# Allegro board Chronos.brd (continued)
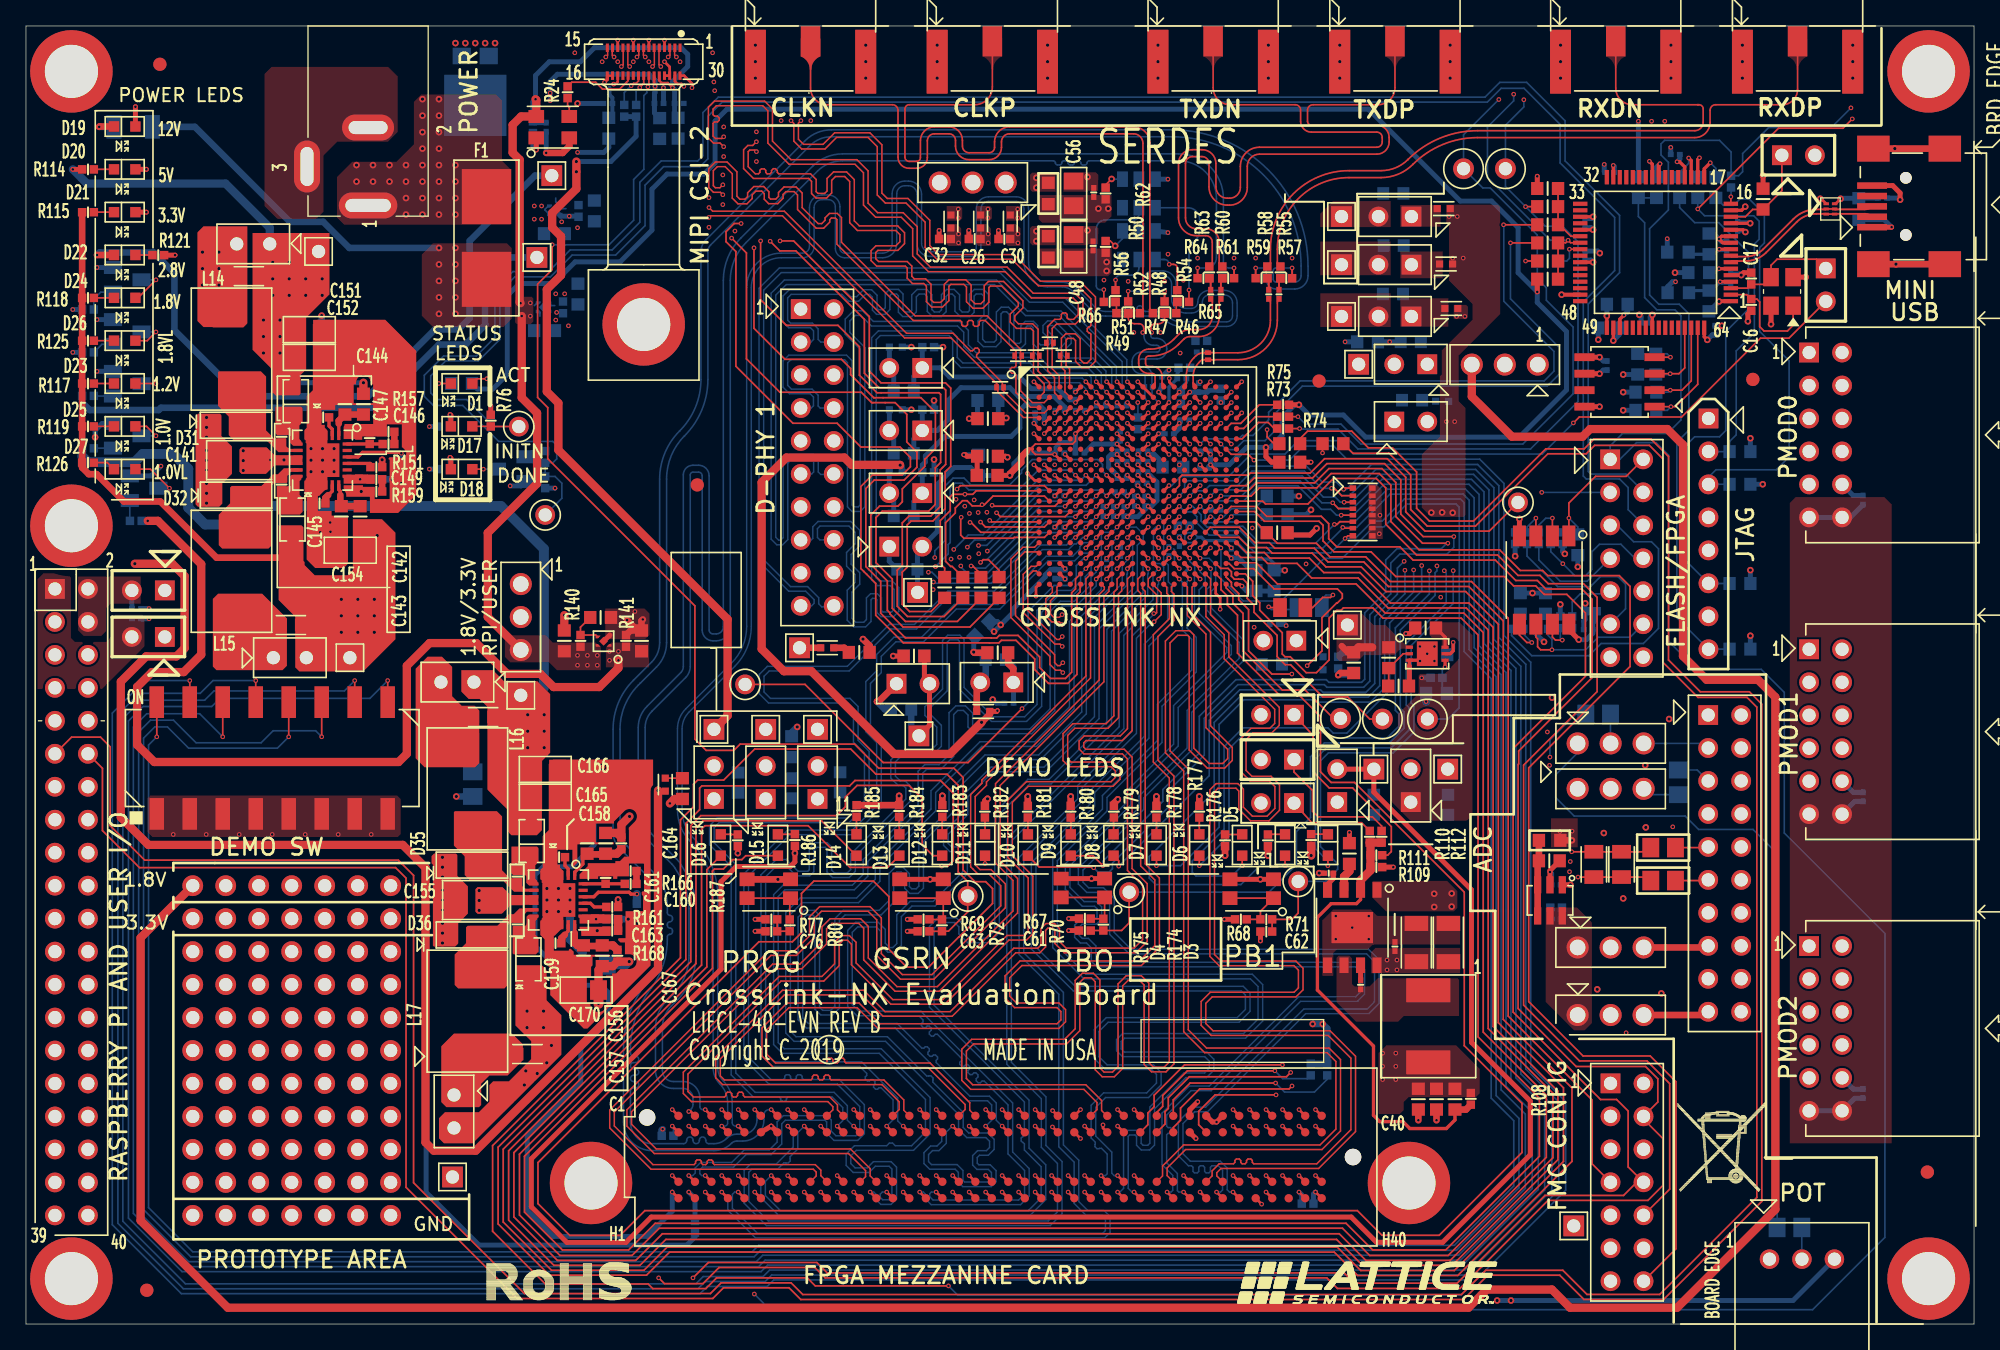
[diagram p0: board, top side]
## Nets (continued)

## Via types
v1: diameter 0.356, hole 0.203, TOP to BOTTOM, 790 vias
v2: diameter 0.508, hole 0.254, TOP to BOTTOM, 312 vias

## Routing (per net, layer and track width the routed paths; a pad name or vN(x,y) marks a point on that pad's centre or on a via; arc(x,y) is an arc through that point)
+12.0V: length 28.4
  TOP w0.203: U9.C35 v1(92.94,16.52) ; U9.C37 v1(95.48,16.52)
  TOP w0.508: R151.1 v2(27.42,66.58) ; R161.1 v2(45.59,32.7)
  BOTTOM w0.508: v2(31.8,82.9) 24.9,82.9 22.89,84.91 20.32,84.91 13.01,92.23 R113.2
  vias: v1(104.8,28.04) v1(104.8,27.28) v1(105.56,28.04) v1(105.56,27.28) v2(16.73,67.28) v2(16.73,66.51) v2(16.73,65.75) v2(18.85,66.57) v2(19.87,66.57) v2(31.8,81.63) v2(31.8,80.36) v2(31.8,79.09) v2(31.8,77.82) v2(33.07,82.9) v2(33.07,81.63) v2(33.07,80.36) v2(33.07,79.09) v2(33.07,77.82) v2(34.9,33.39) v2(34.9,32.63) v2(34.9,31.87) v2(108.43,33.15) v2(108.43,32.13) v2(109.78,33.17) v2(109.78,32.16)
GND: length 263.3
  TOP w0.178: CN1.17 CN1.16
  TOP w0.203: U9.C29 v1(85.32,16.52) ; U3.W3 v1(80.01,57.39) ; U9.C25 v1(81.2,16.52) ; v1(93.62,56.85) 93.48,56.99 U3.Y20 ; U9.G8 v1(58.65,11.44) ; U9.C20 v1(73.89,16.52) ; U9.C12 v1(63.73,16.52) ; U3.D20 v1(93.61,70.19) ; U9.D10 v1(61.19,15.25) ; U3.A1 v1(77.61,72.59) ; U9.C8 v1(58.65,16.52) ; U3.M10 v1(84.81,62.99) ; U9.C40 v1(99.29,16.52) ; U9.H21 v1(75.16,10.17) ; U9.D16 v1(68.81,15.25) ; U3.C19 v1(92.81,70.99) ; U3.K10 v1(84.81,65.39) ; U9.G4 v1(53.57,11.44) ; U9.G40 v1(99.29,11.44) ; v1(90.41,70.99) U3.B16 ; U9.G32 v1(89.13,11.44) ; U9.G1 v1(49.76,11.44) ; U9.G20 v1(73.89,11.44) ; U3.H10 v1(84.81,66.99) ; U3.J11 v1(85.61,66.19) ; U9.D25 v1(81.2,14.29) ; U9.H3 v1(52.3,10.17) ; U9.C36 v1(94.21,16.52) ; U9.D2 v1(51.03,15.25) ; U9.H9 v1(59.92,10.17) ; U3.C15 v1(89.61,70.99) ; U3.C10 v1(84.81,70.99) ; CN1.10 v1(46.76,98.91) ; CN1.30 50.68,96.17 51.28,95.56 v1(51.28,95.24) ; v1(92.81,71.79) U3.B19 ; U3.E1 v1(77.61,69.39) ; U9.D22 v1(76.43,15.25) ; U3.F10 v1(84.81,68.59) ; U9.C28 v1(84.05,16.52) ; v1(93.61,72.59) U3.A20 ; U3.M12 v1(86.41,63.79) ; U3.G10 v1(84.81,67.79) ; v1(49.17,97.24) 49.57,96.84 CN1.28 CN1.27 ; U3.T19 v1(92.81,59.79) ; U9.G38 v1(96.75,11.44) ; U9.H36 v1(95.15,9.24) ; U3.H11 v1(85.61,66.99) ; U3.L11 v1(85.61,64.59) ; U9.C17 v1(70.08,16.52) ; U3.K11 v1(85.61,65.39) ; U9.H24 v1(78.97,10.17) ; U3.B12 U3.A11 v1(85.61,72.59) ; U9.G17 v1(70.08,11.44) ; U9.G11 v1(62.46,11.44) ; U3.E14 v1(88.81,69.39) ; U3.C6 v1(81.61,70.19) ; U3.L10 v1(84.81,63.79) ; U3.U9 v1(84.01,58.99) ; U9.D13 v1(65,15.25) ; U9.H18 v1(71.35,10.17) ; U9.C21 v1(75.16,16.52) ; U3.U8 v1(83.21,58.99) ; U3.C17 v1(91.21,70.99) ; U3.M13 v1(88.01,63.79) ; U3.C3 v1(79.21,70.19) ; U9.D19 v1(72.62,15.25) ; U3.W16 v1(90.41,57.39) ; U3.H4 v1(80.01,66.99) ; U3.G9 v1(84.01,67.79) ; CN1.13 v1(45.57,98.91) ; U3.M8 v1(83.21,62.99) ; U9.H12 v1(63.73,10.17) ; U3.T15 v1(88.81,60.59) ; U3.R14 v1(88.81,61.39) ; U3.F11 v1(86.41,68.59) ; U9.H27 v1(82.78,10.17) ; U9.G5 v1(54.84,11.44) ; v1(91.21,72.59) U3.A17 ; U9.H6 v1(56.11,10.17) ; U3.A14 88.04,72.57 v1(88.04,72.85) ; U9.H39 v1(98.02,10.17) ; CN1.4 v1(49.16,98.91) ; U3.M9 v1(84.01,62.99) ; U9.G26 v1(81.51,11.44) ; U3.G11 v1(86.41,67.79) ; U9.C16 v1(68.81,16.52) ; U9.C4 v1(53.57,16.52) ; U9.C1 v1(49.76,16.52) ; U3.V13 88.01,58.99 v1(88.01,59.01) ; U9.C24 v1(79.05,16.44) ; U3.M11 v1(85.61,63.79) ; U3.L4 v1(80.01,63.79) ; U9.C38 v1(96.75,16.52) ; U3.A5 v1(80.81,71.79) ; U9.H33 v1(90.4,10.17) ; v1(77.77,56.08) 77.77,56.75 U3.Y1 ; U3.N18 v1(92.01,62.99) ; U9.C13 v1(65,16.52) ; D2.1 138.23,86.69 v2(138.16,86.69) ; U9.G14 v1(66.27,11.44) ; U3.C8 v1(83.21,70.99) ; U9.D37 v1(95.48,15.25) ; U3.G12 v1(87.21,67.79) ; U9.D39 v1(98.02,15.25) ; U3.P4 v1(80.01,61.39) ; U9.G23 v1(77.7,11.44) ; U9.G29 v1(85.32,11.44) ; U3.E6 v1(81.61,68.59) ; U3.G16 v1(90.41,66.99) ; CN1.7 v1(47.97,98.91) ; U3.J10 v1(84.81,66.19) ; U9.C5 v1(54.84,16.52) ; U9.D35 v1(92.94,15.25) ; U9.H15 v1(67.54,10.17) ; U3.J17 v1(90.41,66.19) ; U9.H30 v1(86.59,10.17) ; U9.D3 v1(52.3,15.25) ; U3.D19 v1(92.81,70.19) ; U9.D28 v1(84.05,15.25) ; U9.C9 v1(59.92,16.52) ; U9.G35 v1(92.94,11.44)
  TOP w0.254: v2(132.38,86.08) 132.1,85.8 U1.15 ; v1(107.9,51.64) 107.4,51.14 U13.3 106.52,50.71 ; v1(44.55,95.67) 44.76,95.89 CN1.16 ; U1.51 122.73,77.41 v1(123.04,77.72) ; v1(125,89.57) 125.23,89.35 U1.25 ; U1.10 130.64,83.3 v1(130.35,83.59) 130.56,83.8 U1.11 ; U1.5 132.05,80.8 132.06,80.81 v2(132.07,80.81) ; U1.35 v2(120.67,85.3) ; v2(132.77,84.8) U1.13
  TOP w0.305: v2(130.37,78.78) 130.39,78.8 U1.1 ; U1.47 v2(118.24,79.3)
  TOP w0.381: U2.5 v2(121.16,74.48) ; U6.4 v2(115,62.02) ; D20.1 v1(9.27,88.96) ; U9.D6 v1(57.38,15.25) U9.D7 ; U9.C34 v1(91.67,15.56) 91.36,15.56 U9.C33 ; SW2.4 v2(82.04,34.31) SW2.2 ; C17.1 132.26,80.99 v2(132.07,80.81) ; C76.2 v1(56.14,30.26) ; v1(106.25,53.19) 106.54,53.19 C136.2 ; U9.C32 89.61,16.51 v1(90.22,17.12) ; v2(132.59,77.25) 132.59,77.81 C16.1 ; C61.2 v1(80.29,30.31) ; SW3.4 v2(95.05,34.26) SW3.2 ; D19.1 v1(8.43,93.78) ; C26.2 v1(72.6,84.24) ; R121.1 v1(11.48,82.35) ; J2.5 143.74,87.7 144.31,87.13 v2(144.31,86.61) ; SW4.4 v2(69.62,34.26) SW4.2 ; R148.1 106.52,49.18 106.52,50.71 ; X1.4 v2(134.37,77.02) ; C32.2 v1(70.31,84.24) ; C62.2 v1(95.05,29.52) ; C82.2 117.35,34.94 v1(117.35,34.83) U7.2 ; C39.2 v2(66.78,51.46) ; U14.5 44.96,53.09 ; C68.2 73.24,65.41 C133.1 72.45,66.85 72.34,66.97 v1(72.21,66.97) ; R109.1 v1(105.29,35.2) ; C102.2 v1(101.9,37.87) ; C64.2 v1(98.94,66.4) ; X1.2 v2(137.04,80.65) ; C122.1 v2(72.62,69.75) ; C30.2 v1(74.89,84.24) ; C63.2 v1(67.86,30.26) ; D21.1 v1(9.27,85.66) ; C105.2 v2(99.58,34.74)
  TOP w0.508: 47.08,53.43 46.55,53.43 R141.2 ; 47.08,53.43 v1(46.28,54.23) ; 47.08,53.43 C137.2 47.4,54.18 v1(47.5,54.28) ; J2.7 v2(143.99,81.65) J2.6 ; SW5.2 v2(57.9,34.26) SW5.4 ; C104.2 v1(108.61,15.7) ; C134.1 73.03,51.71 v2(72.97,51.77) ; R168.2 v2(43.99,30.3) ; R159.2 v2(25.82,64.14) ; v1(101.04,49.99) 101.2,50.15 C139.2 ; C103.2 v1(107.21,15.7) ; X2.2 41.83,90.73 41.33,90.22 v1(40.06,90.22) ; J2.8 v2(143.9,90.55) J2.9
  TOP w0.635: C135.2 v1(41.45,54.61)
  L04_SIG w0.254: v1(90.41,57.39) 90.67,57.39 94.39,53.68 v1(94.57,53.68)
  BOTTOM w0.254: U11.2 39.93,78.33 U11.5 ; C12.2 132.66,84.91 v2(132.77,84.8)
  BOTTOM w0.305: v1(84.01,58.99) 84.18,59.16 C96.2 ; v1(92.01,62.99) 91.97,62.95 C59.2 ; v1(84.81,62.99) 84.75,62.94 C129.2
  BOTTOM w0.381: v1(85.61,64.59) 85.59,64.61 C116.2 ; C72.2 140.7,40.96 J18.11 ; v1(84.81,66.99) 84.75,67.05 C128.2 ; v1(85.61,66.99) 85.67,67.05 C124.2 ; v1(79.21,70.19) 79.28,70.26 C35.2 ; v2(121.18,82.5) 121.02,82.66 C2.2 ; C139.2 102.07,49.99 v1(101.04,49.99) R144.2 ; C119.2 83.81,62.99 v1(84.01,62.99) ; v1(84.81,63.79) 84.55,64.05 C115.2 ; Q6.2 9.64,65.34 v1(10.39,66.09) ; v2(42.47,94.03) C18.2 ; v1(86.41,63.79) 86.23,63.79 C131.2 ; C84.2 117.47,34.7 v1(117.35,34.83) ; v2(98.95,62.72) 98.58,62.36 R105.2 ; C108.2 94.35,56.47 C58.2 93.99,56.48 v1(93.62,56.85) ; Q3.2 5.87,69.38 5.32,68.84 v2(5.32,68.31) ; v1(98.02,10.17) 98.24,9.96 R171.1 ; C34.2 v2(70.61,75.26) ; C28.2 v2(69.92,66.6) ; v1(123.04,77.72) 123.33,78.02 C14.1 ; C117.2 85.67,66.25 v1(85.61,66.19) ; v1(49.09,95.24) 49.09,95.24 C19.2 ; v2(132.07,80.81) 132.06,80.81 131.97,80.89 C9.2 ; C31.2 81.53,70.27 v1(81.61,70.19) ; C25.2 83.15,70.94 v1(83.21,70.99) ; J19.11 140.7,18.1 C73.2 ; C79.2 v2(119.49,58.33) ; Q1.2 38.12,64.57 v1(37.29,64.57) ; C114.2 84.75,66.25 v1(84.81,66.19) ; C130.2 84.75,65.34 v1(84.81,65.39) ; Q5.2 v1(5.47,77.38) ; v1(72.21,66.97) C69.2 ; C10.1 129.61,78.02 v2(130.37,78.78) ; C47.1 87.97,73.48 v1(88.01,73.48) ; v1(97.03,53.8) 96.94,53.9 C86.1 ; v1(92.01,70.99) 92,71 C45.1 ; C81.2 v2(116,56.31) C80.2 ; v2(121.16,74.48) 121.46,74.19 C15.2 ; U4.3 v1(87.93,84.08) ; C8.2 144.18,86.74 v2(144.31,86.61) ; v1(85.61,63.79) 85.43,63.79 C120.2 ; C5.1 v2(121.07,75.83) ; C66.2 90.45,67.04 v1(90.41,66.99) ; v2(124.23,77.74) 124.37,77.61 C1.2 ; v1(121.53,89.33) 121.53,88.79 C4.2 ; C118.2 88.81,69 v1(88.81,69.39) 88.87,69.45 C75.2 ; C71.2 82.19,67.79 v1(84.01,67.79) 84.26,68.05 C113.2 ; C36.2 v2(69.92,71.15) ; C78.2 119.94,54.17 120.05,54.27 C77.2 120.05,55.51 v2(120.07,55.52) ; C39.2 v2(66.78,51.46) ; C67.2 140.7,63.82 J17.11 ; C123.1 73.27,69.76 C121.1 v2(72.62,69.75) ; R120.2 42.5,85.34 v1(41.83,85.34) 41.17,85.34 U12.5 ; v1(85.61,65.39) 85.67,65.45 C126.2 ; v1(84.81,70.99) 84.75,70.94 C29.2 ; C6.1 129.93,84.01 v1(130.35,83.59) 130.54,83.41 C7.2 ; C13.2 v2(130.59,76.91) ; C11.2 120.53,85.16 v2(120.67,85.3) ; C127.2 83.01,62.99 v1(83.21,62.99) ; v2(74.44,48.11) 74.72,47.83 C132.2 ; C20.2 v1(40.06,90.22) ; C91.2 72.97,52.88 v2(72.97,51.77) ; C93.2 C92.2 ; v1(77.61,69.39) 77.7,69.49 C27.2 ; C3.2 v1(126.65,90.64) ; C38.2 v1(9.47,54.33) ; C65.2 v1(90.41,66.19) ; v1(90.41,72.59) 90.3,72.49 C46.1 ; C21.2 44.88,90.65 44.49,90.26 v1(42.47,90.26) ; Q2.2 v1(5.47,73.39) ; U5.3 v1(87.93,88.2) ; C74.2 v1(101.57,75.67) ; R4.2 v2(132.78,53.02) ; C37.2 v1(9.47,55.12) ; R13.1 v2(126.97,81) ; Q4.2 v1(5.47,81.39)
  BOTTOM w0.508: C151.2 v2(22.77,77.69) ; C162.2 v2(46.38,31.19) ; C168.2 v2(33.14,40.64) ; C148.2 v2(28.21,65.07) ; R167.2 47.07,31.43 v2(47.07,30.86) ; v2(59.39,46) 58.95,45.57 C94.2 ; R158.2 v2(28.91,64.75)
  BOTTOM w0.635: v2(41.89,31.78) 41.89,29.62 42.86,28.65 C169.2 ; R146.2 v1(107.81,47.96)
  vias: v1(11.34,37.72) v1(13.88,37.72) v1(16.42,37.72) v1(18.96,37.72) v1(21.5,37.72) v1(22.66,61) v1(22.68,60.29) v1(23.42,61.75) v1(23.44,61.04) v1(24.04,37.72) v1(26.58,37.72) v1(40.79,77.34) v1(40.86,77.93) v1(41.25,84.91) v1(41.77,76.9) v1(42.26,97.93) v1(42.47,84.45) v1(44.36,97.24) v1(45.57,97.24) v1(46.77,97.24) v1(46.89,54.89) v1(47.97,97.24) v1(50.37,97.24) v1(52.59,86.77) v1(52.59,84.49) v1(52.87,97.93) v1(52.97,95.69) v1(53.03,95.01) v1(53.72,92.22) v1(53.72,89.94) v1(53.66,88.52) v1(53.66,86.24) v1(54.59,84.2) v1(56.24,91.84) v1(56.24,89.56) v1(58.15,92.71) v1(60.43,92.71) v1(69.85,56.58) v1(71.23,58.93) v1(71.61,63.54) v1(71.89,59.07) v1(72.29,63) v1(72.64,62.45) v1(72.62,59.06) v1(73.01,63.49) v1(73.32,62.52) v1(73.36,59.35) v1(73.99,62.54) v1(83.01,80.42) v1(84.87,80.33) v1(85.31,76.39) v1(87.36,76.39) v1(87.67,80.33) v1(87.93,82.42) v1(88.81,66.19) v1(89.12,80.41) v1(90.21,82.12) v1(93.02,82.12) v1(94.43,61.33) v1(94.69,82.12) v1(97.49,82.12) v1(98.57,58.55) v1(100.86,31.43) v1(100.86,29.65) v1(102.13,30.54) v1(103.4,31.43) v1(103.4,29.65) v1(107.34,52.2) v1(107.34,51.08) v1(108.45,52.2) v1(108.45,51.08) v1(108.93,55.99) v1(117.15,45.61) v1(117.31,43.04) v1(118.91,35.63) v1(118.85,34.84) v1(123.21,22.44) v1(126.8,38.3) v2(13.9,69.84) v2(13.9,69.08) v2(13.9,68.32) v2(13.9,67.3) v2(13.9,66.54) v2(13.9,65.78) v2(13.9,64.76) v2(13.9,64) v2(13.9,63.24) v2(21.95,67.44) v2(21.95,66.55) v2(21.95,65.66) v2(22.83,67.44) v2(22.83,66.55) v2(22.83,65.66) v2(23.72,67.44) v2(23.72,66.55) v2(23.72,65.66) v2(32.07,35.96) v2(32.07,35.19) v2(32.07,34.43) v2(32.07,33.42) v2(32.07,32.65) v2(32.07,31.89) v2(32.07,30.88) v2(32.07,30.11) v2(32.07,29.35) v2(33.07,98.68) v2(33.83,98.68) v2(34.59,98.68) v2(35.36,98.68) v2(36.12,98.68) v2(40.11,33.55) v2(40.11,32.66) v2(40.11,31.78) v2(41,33.55) v2(41,32.66) v2(41,31.78) v2(41.89,33.55) v2(41.89,32.66) v2(56.16,98.52) v2(56.16,97.25) v2(56.16,95.98) v2(64.66,98.52) v2(64.66,97.25) v2(64.66,95.98) v2(70.16,98.52) v2(70.16,97.25) v2(70.16,95.98) v2(78.66,98.52) v2(78.66,97.25) v2(78.66,95.98) v2(81.74,88.37) v2(81.74,84.25) v2(87.16,98.52) v2(87.16,97.25) v2(87.16,95.98) v2(95.66,98.52) v2(95.66,97.25) v2(95.66,95.98) v2(101.16,98.52) v2(101.16,97.25) v2(101.16,95.98) v2(109.66,98.52) v2(109.66,97.25) v2(109.66,95.98) v2(117.5,48.26) v2(118.16,98.52) v2(118.16,97.25) v2(118.16,95.98) v2(120.99,25.78) v2(121.49,37.83) v2(122.99,32.79) v2(124.68,43.05) v2(124.73,38.26) v2(125.92,25.47) v2(126.52,46.61) v2(126.66,98.52) v2(126.66,97.25) v2(126.66,95.98) v2(132.16,98.52) v2(132.16,97.25) v2(132.16,95.98) v2(140.66,98.52) v2(140.66,97.25) v2(140.66,95.98)
V1P0_LDO: length 174.8
  TOP w0.508: FB7.2 TP_V1P0_LDO.1
  TOP w0.635: v1(9.37,61.87) 10.16,61.87 13.49,58.54 13.49,51.57 12.15,50.23 9.7,50.23 8.56,49.08 8.56,44.62 9.88,43.3 28.69,43.3 29.33,43.93 29.33,50.71 31.08,52.46 34.67,52.46 37.05,50.08 39.61,50.08 40.63,49.07 44.15,49.07 45.62,50.54 v1(45.62,51.13)
  L03_PWR w0.381: v1(76.36,85.21) 77.04,84.53 77.04,81.29 78.01,80.32 81.89,80.32 82.37,80.8 82.37,81.78
  L03_PWR w0.635: v1(76.36,85.21) v1(76.36,85.89) 75.69,86.57 72.46,86.57 v1(71.79,85.89) v1(71.79,85.21) 70.31,85.21 69.24,84.13 69.24,76.32 v2(68.17,75.26) 67.74,74.83 67.74,71.56 68.17,71.13 v2(68.17,70.43) 68.17,70.2 67.73,69.77 67.73,67.82 68.48,67.07 68.48,65.74 67.74,65.01 67.74,59.06 60.78,52.1 TP_V1P0_LDO.1 ; v1(110.79,77.62) v1(110.16,77.62) 110.08,77.62 108.81,78.89 108.81,86.97 107.24,88.54 90.59,88.54 90.06,89.08 87.66,89.08 82.37,83.79 82.37,81.78
  BOTTOM w0.381: R133.2 v1(9.37,61.87) ; L9.2 v2(68.17,70.43) ; L7.2 v2(68.17,75.26)
  vias: v1(44.93,51.82) v1(44.93,51.13) v1(45.62,51.82)
V1P2: length 62.8
  TOP w0.203: CN1.25 48.37,95.55 48.44,95.47 v1(48.44,95.35)
  L04_SIG w0.635: v1(41.48,79.37) v1(40.79,79.37) 40.49,79.37 39.34,80.51 TP_V1P2.1
  BOTTOM w0.127: 40.72,78.46 40.46,78.46 U11.1 39.93,78.99 39.93,79.27
  BOTTOM w0.381: C22.1 48.39,93.3 48.39,94.64 ; 48.39,94.64 48.39,94.82 48.44,94.87 v1(48.44,95.35) 48.44,95.82 47.98,96.28 40.92,96.28 40.36,95.72 v1(40.36,94.83) v1(40.36,94.24) ; 48.39,94.64 C19.1
  BOTTOM w0.508: TP_V1P2.1 37.06,82.17 35.36,80.47 35.36,76.96 33.85,75.46 31.79,75.46 26.92,70.59 10.39,70.59 10.22,70.41 4.9,70.41 4.33,70.99 R123.2
V1P8: length 386.4
  TOP w0.178: v1(49.78,95.25) 49.42,95.61 48.94,95.61 48.76,95.79 CN1.26
  TOP w0.635: v2(46.45,27.92) C167.2 45.19,27.57 R165.1 44.09,27.28 C170.1 ; R150.2 49.92,40.45 v1(49.58,40.11) ; AG1.1 8.83,29.76 8.83,7.97 15.54,1.26 111.08,1.26 112.48,2.66 117.5,2.66 118.9,1.26 127.14,1.26 134.7,8.82 134.7,48.29 133.36,49.63 129.42,49.63 127.59,51.46 127.59,67.74 126.38,68.95 120.44,68.95 119.85,68.36 114.42,68.36 111.33,71.45 J44.3 ; v1(38.08,78.64) 38.01,78.71 38.01,89.7 37.47,90.24 37.47,92.38 38.12,93.03 X2.4 39.29,94.3 v1(39.24,94.35) ; v1(38.17,77.66) 38.17,71.36 39.35,70.18 39.35,64.75 35.56,60.95 35.56,54.47 J33.3
  TOP w0.762: C170.1 v1(44.09,24.67)
  L04_SIG w0.508: 38.2,77.6 35.23,77.6 34.29,76.66 28.76,76.66 26.76,78.66 26.76,81.66 23.25,85.16 12.81,85.16 5.8,78.16 v1(3.61,78.16) ; 38.56,78.38 38.56,78.69 37.77,79.48 37.77,93.52 38.61,94.35 v1(39.24,94.35)
  BOTTOM w0.127: 39.15,78.46 39.35,78.66 U11.4 ; 39.57,77.65 39.57,77.88 U11.3
  BOTTOM w0.381: C23.1 49.94,93.2 C24.1 49.94,95.09 v1(49.78,95.25) 49.78,95.71 50.95,96.88 50.95,97.82 50.44,98.33 43.78,98.33 42.69,97.24 40.29,97.24 39.24,96.19 v1(39.24,94.35) 39.04,94.16 R23.2 39.14,92.55 C20.1 ; R124.2 v1(3.61,78.16)
  BOTTOM w0.635: v2(46.45,27.92) 46.19,27.66 C169.1
  vias: v1(38.84,78.66) v1(38.84,77.65) v1(42.47,51.51) v1(42.47,50.75) v1(43.23,51.51) v1(43.23,50.75) v1(43.99,51.51) v1(43.99,50.75) v2(38.38,18.42) v2(38.49,19.5) v2(38.58,24.1) v2(38.58,22.83) v2(39.37,19.3) v2(39.85,24.1) v2(39.85,22.83) v2(40.1,20.12) v2(40.46,21.46)
V1P8_LDO: length 211.5
  TOP w0.381: FB6.2 74.74,47.19 v1(74.8,47.25) ; FB8.2 48.71,41.05 v2(48.67,41.1)
  TOP w0.508: 101.32,52.22 101.79,51.75 C139.1 ; FB6.2 74.21,46.98 v2(73.58,46.35)
  TOP w0.635: v2(8.38,58.57) 11.26,58.57 12.22,57.62 12.22,52.07 11.58,51.43 9.25,51.43 7.3,49.49 7.3,39.03 9.43,36.91 29.01,36.91 30.76,35.16 30.76,13.99 31.4,13.36 34.63,13.36 48.67,27.39 v2(48.67,41.1) ; v2(73.58,46.35) 71.15,43.92 66.85,43.92 60.48,50.29 58.36,50.29 56.65,52.01 56.65,64.84 58.56,66.75 63.02,66.75 63.58,66.19 67.29,66.19 v2(67.31,66.16) ; C139.1 102.61,52.13 103.66,52.13
  L03_PWR w0.762: v2(8.38,58.57) 8.38,63.93 3.61,68.71 v1(3.61,74.85)
  L04_SIG w0.635: v1(74.8,47.25) 74.77,47.25 73.95,46.43 73.66,46.43 v2(73.58,46.35) 73.58,46.51 72.84,47.25 68.23,47.25 65.29,44.31 51.78,44.31 48.67,41.2 v2(48.67,41.1)
  BOTTOM w0.381: L5.2 67.47,66.01 v2(67.31,66.16) ; R132.2 v1(3.61,74.85)
  BOTTOM w0.508: C139.1 101.39,51.75 R144.1
  vias: v1(74.07,85.89) v1(74.07,85.21) v1(109.37,69.52) v1(109.58,85.32) v1(109.86,82.12) v1(110.01,69.52) v1(110.21,85.32) v1(110.67,82.12) v2(108.21,62.51) v2(109.04,62.53) v2(109.86,62.5)
V1P8_VCCADC18: length 101.9
  TOP w0.203: U3.R15 v1(89.61,61.39)
  L04_SIG w0.381: J23.2 93.95,51.32 93.95,39.37 94.87,38.45 94.87,35.73 95.81,34.79 95.81,33.36 94.28,31.83 94.28,19.1 92.29,17.11 92.29,4.58 95.06,1.81 v2(113.28,1.81) v2(114.35,1.81)
  BOTTOM w0.381: v2(113.28,1.81) v2(114.35,1.81) 136.06,1.81 U8.3
V1P8_VCCAUX: length 22.6
  TOP w0.203: U3.K9 v1(84.01,65.39) ; U3.K12 v1(86.41,65.39) ; U3.N10 v1(84.81,62.19) ; U3.H9 v1(84.01,66.99) ; U3.N12 v1(86.41,62.99) ; U3.N8 v1(83.21,62.19)
  TOP w0.381: C133.2 75.44,66.85 75.51,66.78 v2(75.57,66.78)
  TOP w0.508: J38.1 76.02,50.5 75.63,50.89 C134.2
  L04_SIG w0.254: v1(79.21,66.19) v1(80.01,66.19) v1(80.81,66.19) v1(81.61,66.19) v1(82.41,66.19)
  BOTTOM w0.305: 87.09,64.87 87.09,64.9 86.59,65.39 v1(86.41,65.39)
  BOTTOM w0.381: C126.1 v1(86.41,65.39) ; 87.09,64.87 87.09,63.44 86.64,62.99 v1(86.41,62.99) ; v1(86.41,62.99) 86.38,63.02 C131.1 ; v1(86.41,62.99) 85.61,62.19 v1(84.81,62.19) 84.77,62.24 C129.1 ; v1(83.21,62.19) 82.99,62.19 C127.1 ; C132.1 76.04,49.41 J38.1 ; C128.1 84.05,67.04 v1(84.01,66.99) 83.55,66.99 83.36,66.8 83.36,66.01 83.7,65.67 83.73,65.67 v1(84.01,65.39) 84.05,65.35 C130.1
  BOTTOM w0.508: J38.1 76.02,50.61 R138.1
V2P8: length 60.1
  TOP w0.178: v1(45.25,95.52) 45.39,95.52 45.57,95.7 CN1.18
  TOP w0.203: CN1.29 49.97,95.73 50.17,95.53 50.47,95.53 v1(50.66,95.35)
  TOP w0.508: D22.2 v1(5.47,82.36)
  BOTTOM w0.127: 40.79,86.74 40.79,86.45 U12.1 41.32,85.93 41.58,85.93
  BOTTOM w0.305: C21.1 45.15,93.2 C18.1 45.15,94.48 44.93,94.7 44.93,95.24
  BOTTOM w0.508: TP_V2P8.1 39.19,88.47 34.17,83.44 34.17,77.5 33.28,76.62 31.48,76.62 26.34,71.48 16.51,71.48 11.43,76.56 11.43,80.95 9.83,82.55 5.66,82.55 v1(5.47,82.36)
V3P3: length 111.1
  TOP w0.203: U9.D40 v1(99.29,15.25) ; U9.C39 v1(98.02,16.52) ; U9.D36 v1(94.21,15.25) ; U9.D38 v1(96.75,15.25)
  TOP w0.254: U13.6 109.27,52.92 C136.1 ; U1.50 v2(122.23,75.76) ; U1.42 v2(120.67,81.8) ; U1.56 v2(125.23,77.74) ; v1(127.13,89.54) 127.33,89.54 127.73,89.14 U1.20 ; U1.31 v1(122.23,89.26)
  TOP w0.381: R9.2 v2(133.76,88.47) ; U2.8 v2(121.16,70.67) ; U2.6 v2(121.16,73.21) ; U9.D32 v1(90.09,14.29)
  TOP w0.508: 19.93,59.04 14.68,59.04 10.35,63.37 7.54,63.37 5.44,65.47 4.83,65.47 4.33,65.98 R126.2 R119.2 R117.2 R125.2 R118.2 R115.2 ; L12.2 v1(119.04,37.26)
  TOP w0.635: C154.1 26.41,59.61 27.04,60.25 v2(27.04,60.74) 26.38,61.4 R155.1
  BOTTOM w0.127: U12.4 40.22,86.13 39.96,85.87 39.96,85.83 U12.3 40.44,85.35 40.44,85.12
  BOTTOM w0.381: v1(127.01,80.29) 126.78,80.29 126.4,79.91 L3.2 ; 30.81,25.96 30.81,10.15 34.88,6.08 50.89,6.08 51.52,6.71 R101.2 ; R142.2 v1(107.47,49.78) ; C5.2 122.67,76.2 v2(122.23,75.76) ; C2.1 120.51,81.96 v2(120.67,81.8) ; J32.1 66.47,58.76 R131.1 ; v2(121.16,73.21) 121.44,73.49 C15.1 ; R11.1 v2(122.99,71.79) ; R10.1 v2(122.99,70.39) ; C4.1 122.3,89.19 v1(122.23,89.26) ; C3.1 127.35,89.75 v1(127.13,89.54) ; v2(125.23,77.74) 125.07,77.58 C1.1 ; v2(27.04,60.74) C154.1 ; R12.1 v2(122.99,73.15) ; L1.2 v1(126.38,83.61)
  BOTTOM w0.508: v1(49.02,15.01) 48.95,14.94 R100.2
  vias: v1(39.14,86.13) v1(39.14,85.12) v1(39.7,86.13) v1(39.7,85.12) v1(118.11,37.95) v1(119.05,37.97) v2(24.28,55.83) v2(24.28,54.56) v2(24.28,53.29) v2(25.55,55.83) v2(25.55,54.56) v2(25.55,53.29) v2(26.82,55.83) v2(26.82,54.56) v2(26.82,53.29) v2(77.8,88.3) v2(77.8,87.54) v2(77.8,84.19) v2(77.8,83.43)
V5P0: length 27.9
  TOP w0.381: R114.2 v1(3.61,88.95)
  TOP w0.635: R154.1 v2(25.98,72.52)
  BOTTOM w0.381: v2(19.56,74.8) 19.56,73.63 20.68,72.52 v2(25.98,72.52)
  BOTTOM w0.635: J40.1 18.77,84.45 15.37,87.86 4.7,87.86 v1(3.61,88.95)
  vias: v2(18.29,77.34) v2(18.29,76.07) v2(18.29,74.8) v2(19,81.79) v2(19,80.52) v2(19,79.25) v2(19.56,77.34) v2(19.56,76.07) v2(20.27,81.79) v2(20.27,80.52) v2(20.27,79.25) v2(21.54,80.52) v2(21.54,79.25) v2(22.81,80.52) v2(22.81,79.25)
VBUS: length 4.3
  TOP w0.381: J2.1 143.65,84.5 v1(143.65,84.5)
  BOTTOM w0.381: v1(143.65,84.5) 143.08,85.08 L2.2
VBUS_5V: length 3.5
  TOP w0.203: v2(139.73,86.69) 139.34,86.3 D2.6
  BOTTOM w0.381: v2(139.73,86.69) 139.77,86.73 L2.1 141.14,86.74 C8.1
VCC1_8FT: length 7.1
  TOP w0.254: v2(129.46,75.82) 129.23,76.06 U1.64 ; U1.49 v2(121.73,77.66) ; U1.37 v2(120.67,84.3) ; U1.12 132.22,84.3 v2(132.39,84.12)
  BOTTOM w0.254: C12.1 132.31,84.21 v2(132.39,84.12)
  BOTTOM w0.381: v2(129.46,75.82) 129.85,76.21 C13.1 ; C14.2 121.73,77.67 v2(121.73,77.66) ; v2(120.67,84.3) 120.51,84.46 C11.1
VCC_CORE_V1P0: length 68.2
  TOP w0.203: U3.L12 v1(86.41,64.59) ; U3.J9 v1(84.01,66.19) ; U3.J12 v1(86.41,66.19) ; U3.N9 v1(84.01,62.19) ; U3.F12 v1(87.21,68.59) ; U3.L9 v1(84.01,63.79) ; U3.F9 v1(84.01,68.59) ; U3.N11 v1(85.61,62.99)
  TOP w0.381: C122.2 75.43,69.75 v2(75.49,69.8)
  TOP w0.508: v2(64.45,52.76) 64.96,52.25 R149.2
  TOP w0.635: R164.1 45.5,37.83 C164.1 45.85,38.48 v2(46.47,39.1)
  L04_SIG w0.254: 84.53,68.19 84.41,68.19 v1(84.01,68.59)
  BOTTOM w0.305: C119.1 83.97,62.24 v1(84.01,62.19) ; v1(84.01,68.59) 84.17,68.75 C113.1 ; C115.1 83.85,63.95 v1(84.01,63.79) ; C120.1 85.58,63.02 v1(85.61,62.99)
  BOTTOM w0.381: C118.1 87.22,68.58 v1(87.21,68.59) ; v2(75.49,69.8) 75.43,69.75 C121.2 74.87,69.76 C123.2 ; v1(84.01,66.19) 84.05,66.24 C114.1 ; v1(86.41,66.19) 86.37,66.24 C117.1 ; v1(86.41,64.59) 86.29,64.71 C116.1 ; 4.33,66.85 R122.2
  BOTTOM w0.762: 4.33,66.85 4.77,66.4 8.36,66.4 8.99,67.03 11.35,67.03 12.5,65.89 12.5,62.89 13.79,61.59 16.59,61.59 18.01,63.02 36.58,63.02 39.88,59.72 39.88,49.02
  vias: v2(38.63,46.94) v2(38.63,45.67) v2(38.63,44.4) v2(39.9,46.94) v2(39.9,45.67) v2(39.9,44.4)
VCCIO0: length 18
  TOP w0.203: U3.E15 v1(89.61,69.39)
  TOP w0.381: R76.1 v1(35.79,70.71) ; v2(119.57,52.72) 118.81,53.48 U6.8
  BOTTOM w0.381: R79.2 v1(31.06,69.14) ; v2(118.49,59.33) 118.32,59.5 R84.2 ; R86.2 116.3,53.15 v2(116.89,52.55) ; R87.2 v2(118.14,55.44) ; R85.2 v2(114.66,59.16) ; R81.2 v1(31.06,65.86) ; v1(124.16,92.66) R172.1 ; C74.1 v1(105,75.67) R127.2 ; v2(119.57,52.72) 120.15,52.72 120.64,53.21 C78.1 120.64,54.01 120.8,54.17 120.8,54.77 C77.1 ; R82.1 v1(40.73,64.4)
  vias: v1(125.17,92.66) v1(126.19,92.66)
VCCIO1: length 165.6
  TOP w0.203: U3.J18 v1(91.21,66.19) ; U3.G17 v1(91.21,66.99)
  TOP w0.381: R68.1 v1(92.28,31.18) ; v2(95.48,67.53) 95.48,66.83 95.91,66.4 C64.1 ; R19.2 v1(116.37,88.42) ; R67.1 v1(80.29,31.23) ; R18.2 v1(116.37,79.51) ; R75.2 v2(98.02,70.82) ; R69.1 v1(67.87,31.18)
  TOP w0.508: R176.2 v2(92.33,36.09) ; R175.2 v2(95.63,36.09) ; v2(84.07,40.42) 83.77,40.12 R179.2 ; R181.2 v2(77.14,40.64) ; R178.2 v2(87.05,40.64) ; R180.2 v2(80.44,40.64) ; R177.2 v2(90.35,40.64)
  TOP w0.635: R174.2 v2(98.96,36.09)
  BOTTOM w0.381: R2.1 v2(133.73,64.69) ; v1(91.21,66.19) 91.11,66.09 C65.1 ; v1(91.21,66.19) 92.64,66.19 93.98,67.53 v2(95.48,67.53) 95.8,67.53 96.72,68.46 96.72,69.84 97.7,70.82 v2(98.02,70.82) 98.8,70.03 101.44,70.03 103.14,68.33 114.99,68.33 118.62,71.96 118.62,76.45 116.37,78.7 v1(116.37,79.51) 114.9,80.99 114.9,84.46 112.85,86.51 110.44,86.51 103.37,93.59 53.97,93.59 53.06,92.67 53.06,89.45 52.2,88.59 49.37,88.59 48.2,87.43 48.2,84.28 45.75,81.82 42.28,81.82 40.62,80.16 37.99,80.16 37.06,79.22 37.06,73.15 35.94,72.03 34.77,72.03 R14.2 ; v1(91.21,66.19) v1(91.21,66.99) 91.16,67.05 C66.1 ; R3.1 v2(132.78,68.24) ; R1.1 v2(132.78,58.08)
VCCIO2: length 179.4
  TOP w0.203: U3.N17 v1(91.21,62.99) ; U3.U19 v1(92.81,58.99)
  TOP w0.381: J30.2 TP_VCCIO2.1 103.78,40.97 111.3,33.45 111.3,21.7 115.83,17.17 115.83,13.04 109.09,6.3 103.99,6.3 102.05,8.24 48.15,8.24 46.2,6.29 41.65,6.29 38.91,9.03 38.91,12.73 53.52,27.34 53.52,34.08 54.68,35.24 58.85,35.24 59.21,35.6 v2(59.21,36.27) R186.2 ; R187.2 v2(54.81,36.27) ; R102.1 97.32,60.78 98.86,60.78 v2(99.38,61.3)
  TOP w0.508: R182.2 73.88,39.97 73.88,40.3 v2(74.04,40.46) ; R183.2 v2(70.56,40.69) ; v2(67.23,40.69) R184.2 R185.2
  BOTTOM w0.305: v1(91.21,62.99) 91.27,62.94 C59.1
  BOTTOM w0.381: C60.1 93.36,59.04 94.09,58.31 94.48,58.31 C58.1 ; R104.1 v2(98.01,63.78) ; R102.1 97.32,60.78 98.86,60.78 v2(99.38,61.3)
  BOTTOM w0.508: R107.2 R106.2 100.2,22.77 v2(99.85,23.11) v2(99.08,23.11)
  vias: v1(104.21,60.88) v1(104.26,62.31)
VCCIO3: length 14.7
  TOP w0.203: U3.V15 v1(89.61,58.19) ; U3.U13 v1(88.01,59.79)
  BOTTOM w0.127: 88.37,59.72 88.43,59.65 88.43,58.54 88.39,58.5 ; 89.26,60.16 89.29,60.19 89.83,60.19 90.25,60.61 89.89,60.96 89.43,60.96 89.23,60.77 89.23,60.19 89.26,60.16 ; 89.26,60.16 89.11,60.02
  BOTTOM w0.254: 89.18,58.62 v1(89.61,58.19) 89.51,58.19 89.31,57.99 ; C108.1 96.11,58.58 95.75,58.93 94.48,58.93 93.06,60.36 90.77,60.36 90.51,60.61 90.25,60.61 ; C106.1 v1(88.01,59.79)
  BOTTOM w0.381: C108.1 v2(96.93,58.07)
